# Altium PCB Carte_Mere - Copie.PcbDoc (part 1 of 4) (continued)
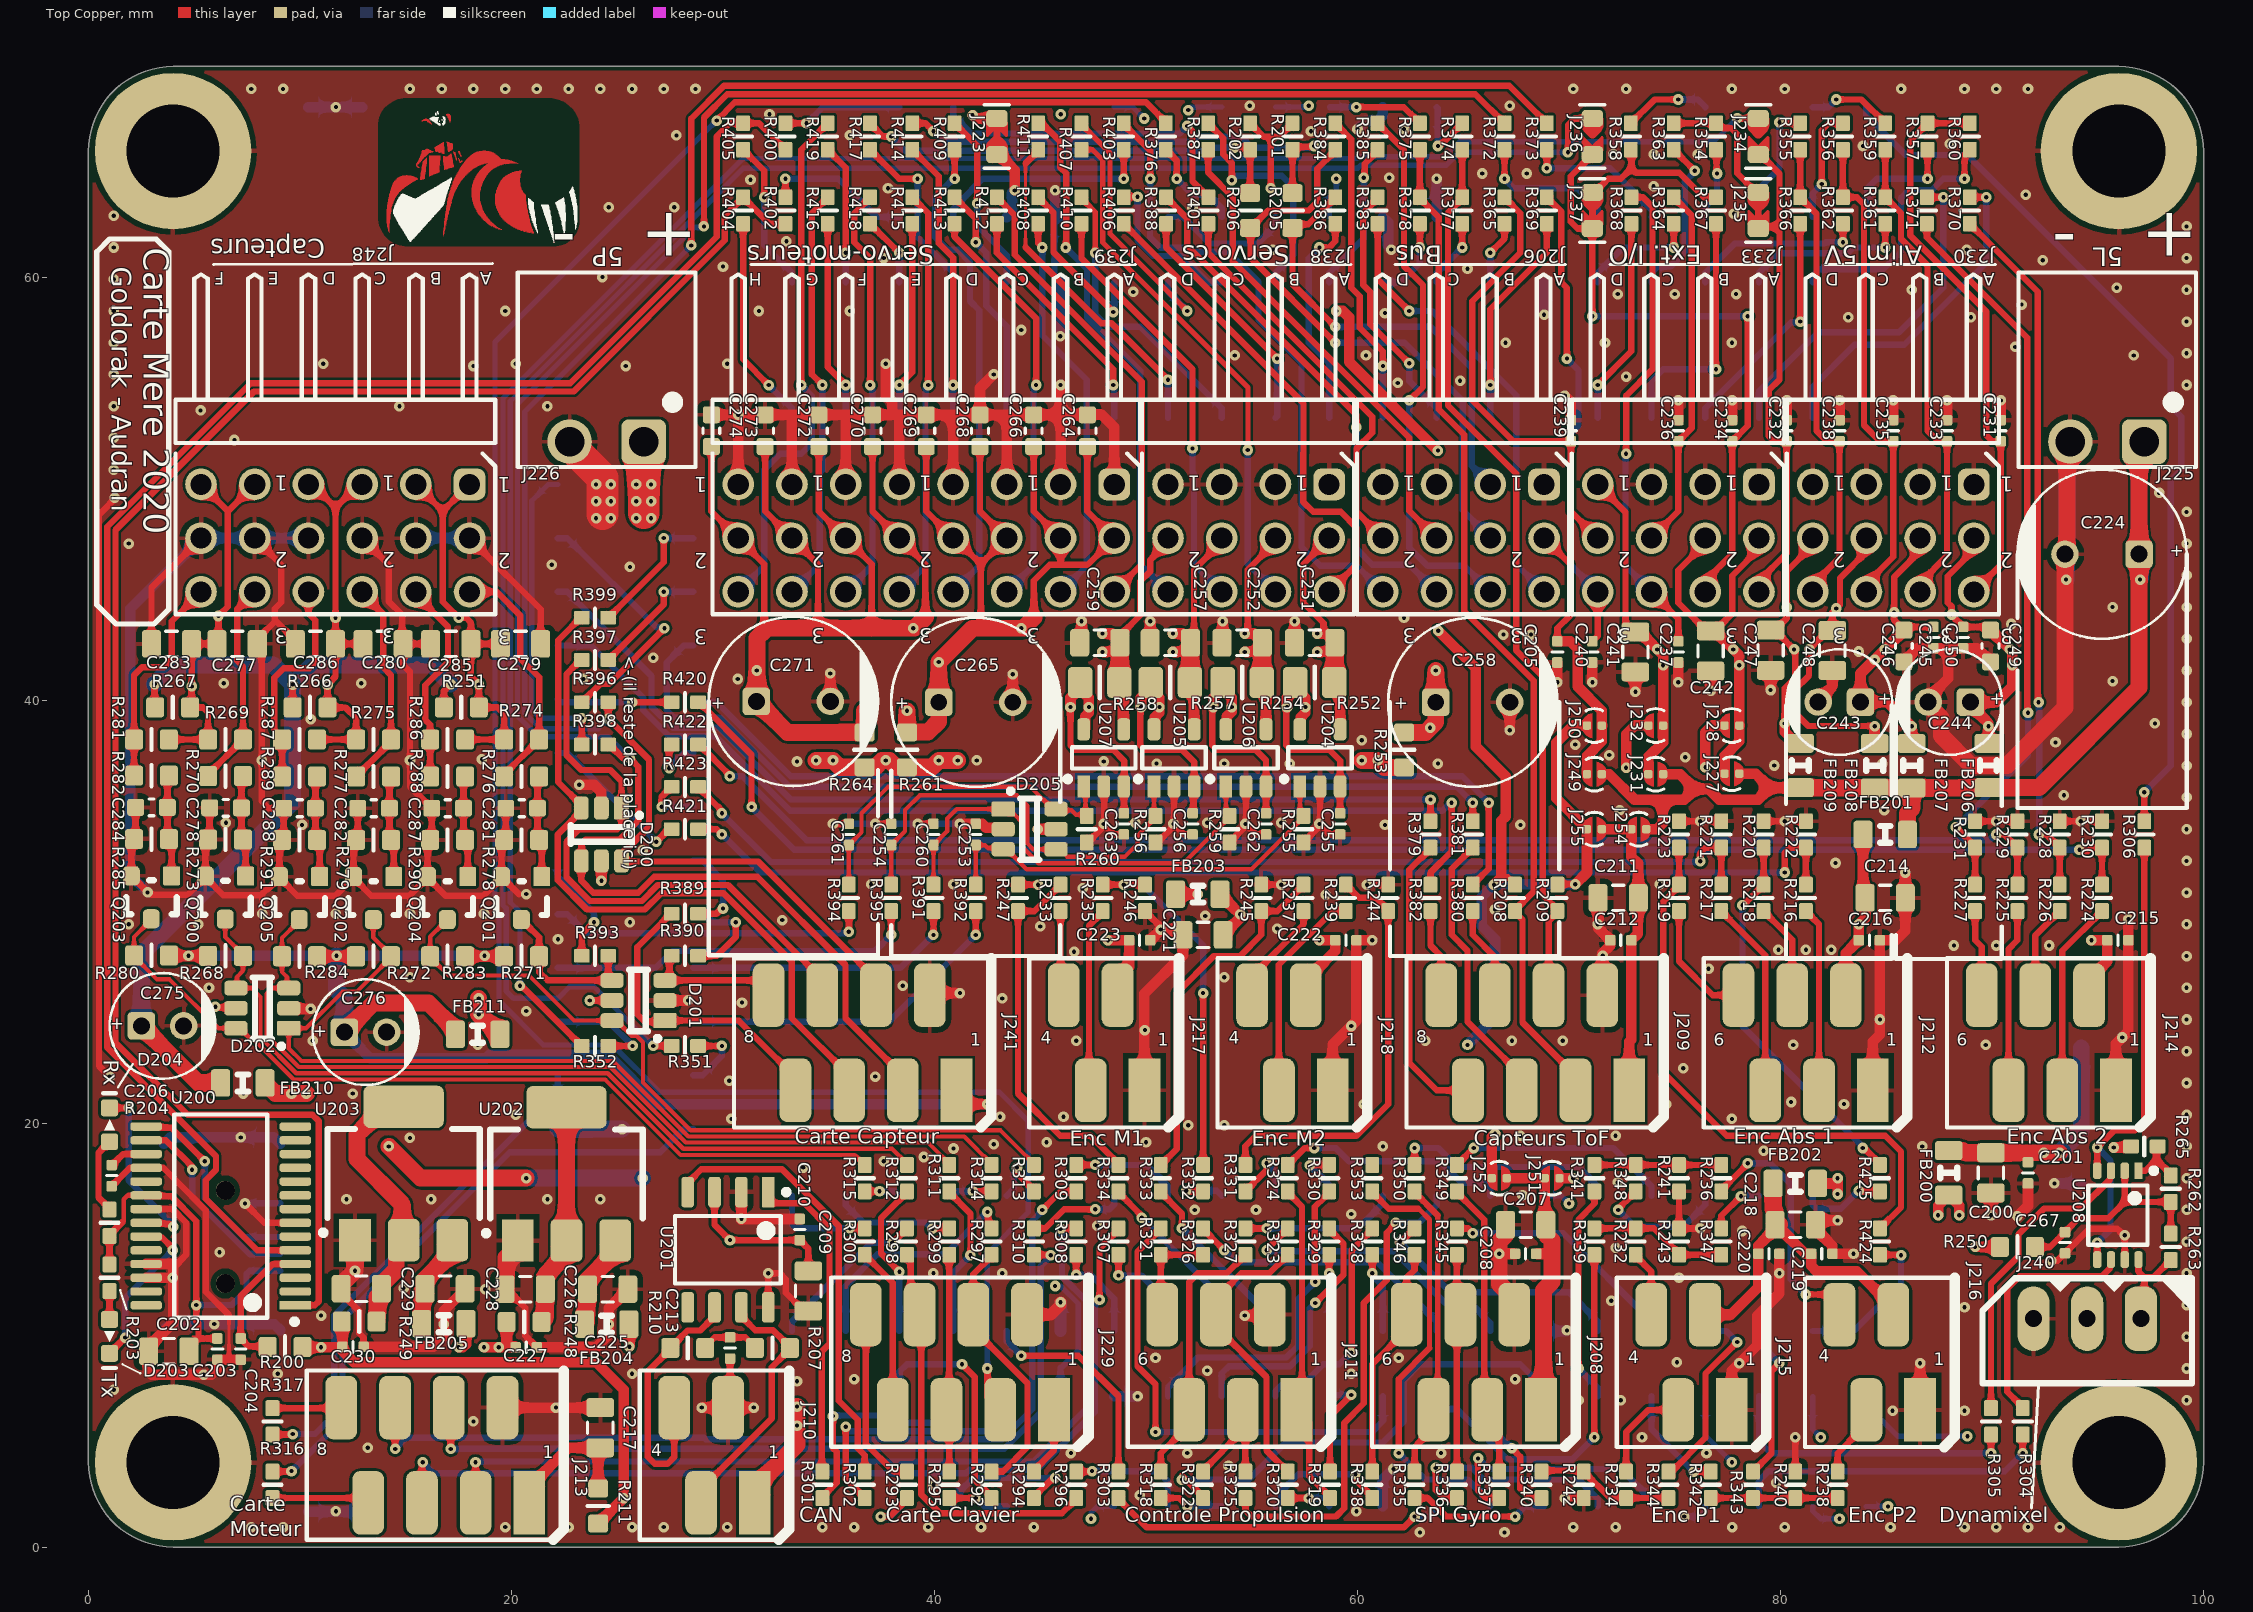
[diagram p0: Top Copper view]
## Components (designator, comment, footprint, x,y, rotation, side; value= is the part's Value field where it differs from the comment) (continued)
J207 "65100516121" 65100516121 5.195,14.659 r90 bottom locked value=5
J208 "690367280676" 690367280676 65.5,8.74 r0 top locked value=6
J209 "690367280876" 690367280876 68.4,23.84 r0 top locked value=8
J210 "690367280476" 690367280476 29.6,4.34 r0 top locked value=4
J211 "690367280676" 690367280676 53.945,8.74 r0 top locked value=6
J212 "690367280676" 690367280676 81.184,23.84 r0 top locked value=6
J213 "690367280876" 690367280876 16.4,4.34 r0 top locked value=8
J214 "690367280676" 690367280676 92.684,23.84 r0 top locked value=6
J215 "690367280476" 690367280476 75.795,8.73 r0 top locked value=4
J216 "690367280476" 690367280476 84.695,8.73 r0 top locked value=4
J217 "690367280476" 690367280476 48.019,23.84 r0 top locked value=4
J218 "690367280476" 690367280476 56.919,23.84 r0 top locked value=4
J219 "61000421821" 61000421821 11.67,65.48 r180 bottom locked value=4
J220 "61000421821" 61000421821 11.67,4.52 r180 bottom locked value=4
J221 "61004021821" 61004021821 62.47,65.48 r0 bottom locked value=40
J222 "61004021821" 61004021821 62.47,4.52 r0 bottom locked value=40
J223 "close" CAVALIER_0603_C 42.95,66.69 r270 top net-tie
J225 "691322110002" 691322110002 95.45,55.66 r180 top locked value=2
J226 "691322110002" 691322110002 24.5,55.66 r180 top locked value=2
J227 "open" CAVALIER#1 77.702,36.564 r270 top
J228 "open" CAVALIER#1 77.702,38.84 r270 top
J229 "690367280876" 690367280876 41.2,8.74 r0 top locked value=8
J230 "TSW-104-08-F-T-RA" TSW-104-08-F-T-RA 85.33,47.7 r180 top locked
J231 "open" CAVALIER#1 74.1,36.54 r270 top
J232 "open" CAVALIER#1 74.1,38.84 r270 top
J233 "TSW-104-08-F-T-RA" TSW-104-08-F-T-RA 75.17,47.7 r180 top locked
J234 "open" CAVALIER_0603_O 78.95,66.69 r90 top net-tie
J235 "close" CAVALIER_0603_C 78.95,63.19 r90 top net-tie
J236 "open" CAVALIER_0603_O 71.106,66.69 r90 top net-tie
J237 "close" CAVALIER_0603_C 71.106,63.19 r90 top net-tie
J238 "TSW-104-08-F-T-RA" TSW-104-08-F-T-RA 54.85,47.7 r180 top locked
J239 "TSW-104-08-F-T-RA" TSW-108-08-F-T-RA 39.61,47.7 r180 top locked
J240 "22-03-5035" 20-03-5035 94.5,10.16 r0 top locked
J241 "690367280876" 690367280876 36.6,23.84 r0 top locked value=8
J248 "TSW-106-08-F-T-RA" TSW-106-08-F-T-RA 11.67,47.7 r180 top locked
J249 "open" CAVALIER#2 71.2,36.54 r90 top
J250 "open" CAVALIER#2 71.2,38.84 r90 top
J251 "open" CAVALIER#2 69.2,17.44 r90 top
J252 "open" CAVALIER#2 66.7,17.44 r90 top
J254 "open" CAVALIER#2 73.3,33.94 r90 top
J255 "open" CAVALIER#2 71.2,33.94 r90 top
Q200 "2N7002" SOT-23 6.48,30.7 r180 top
Q201 "2N7002" SOT-23 20.48,30.68 r180 top
Q202 "2N7002" SOT-23 13.48,30.68 r180 top
Q203 "2N7002" SOT-23 2.98,30.72 r180 top
Q204 "2N7002" SOT-23 16.98,30.68 r180 top
Q205 "2N7002" SOT-23 9.98,30.68 r180 top
R200 "RC0603FR-070RL" RESC1608X06N 9.295,9.461 r180 top value=0
R201 "RC0402FR-074K7L" RESC1005X04N 56.925,66.69 r90 top value=4.7k
R202 "RC0402FR-074K7L" RESC1005X04N 54.925,66.69 r90 top value=4.7k
R203 "RC0402FR-071KL" RESC1005X04N 0.995,12.73 r270 top value=1k
R204 "RC0402FR-071KL" RESC1005X04N 0.995,15.33 r90 top value=1k
R205 "RC0603FR-070RL" RESC1608X06N 56.925,63.19 r270 top value=0
R206 "RC0603FR-070RL" RESC1608X06N 54.925,63.19 r270 top value=0
R207 "RC0603FR-0768RL" RESC1608X06N 32.335,9.41 r0 top value=68
R208 "RC0402FR-074K7L" RESC1005X04N 67.45,30.69 r90 top value=4.7k
R209 "RC0402FR-074K7L" RESC1005X04N 69.45,30.69 r90 top value=4.7k
R210 "RC0603FR-0768RL" RESC1608X06N 28.335,9.41 r0 top value=68
R211 "RC0603FR-070RL" RESC1608X06N 24.1,1.94 r90 top value=0
R216 "RC0402FR-074K7L" RESC1005X04N 81.2,30.69 r90 top value=4.7k
R217 "RC0402FR-074K7L" RESC1005X04N 77.2,30.69 r90 top value=4.7k
R218 "RC0402FR-074K7L" RESC1005X04N 79.2,30.69 r90 top value=4.7k
R219 "RC0402FR-074K7L" RESC1005X04N 75.2,30.69 r90 top value=4.7k
R220 "RC0402FR-0710KL" RESC1005X04N 79.2,33.69 r270 top value=10k
R221 "RC0402FR-0710KL" RESC1005X04N 77.2,33.69 r270 top value=10k
R222 "RC0402FR-0710KL" RESC1005X04N 81.2,33.69 r270 top value=10k
R223 "RC0402FR-0710KL" RESC1005X04N 75.2,33.69 r270 top value=10k
R224 "RC0402FR-074K7L" RESC1005X04N 95.2,30.69 r90 top value=4.7k
R225 "RC0402FR-074K7L" RESC1005X04N 91.2,30.69 r90 top value=4.7k
R226 "RC0402FR-074K7L" RESC1005X04N 93.2,30.69 r90 top value=4.7k
R227 "RC0402FR-074K7L" RESC1005X04N 89.2,30.69 r90 top value=4.7k
R228 "RC0402FR-0710KL" RESC1005X04N 93.2,33.69 r270 top value=10k
R229 "RC0402FR-0710KL" RESC1005X04N 91.2,33.69 r270 top value=10k
R230 "RC0402FR-0710KL" RESC1005X04N 95.2,33.69 r270 top value=10k
R231 "RC0402FR-0710KL" RESC1005X04N 89.2,33.69 r270 top value=10k
R232 "RC0402FR-074K7L" RESC1005X04N 73.15,14.44 r90 top value=4.7k
R233 "RC0402FR-074K7L" RESC1005X04N 45.96,30.69 r90 top value=4.7k
R234 "RC0402FR-074K7L" RESC1005X04N 72.7,2.94 r270 top value=4.7k
R235 "RC0402FR-074K7L" RESC1005X04N 47.95,30.69 r90 top value=4.7k
R236 "RC0402FR-074K7L" RESC1005X04N 77.2,17.44 r90 top value=4.7k
R237 "RC0402FR-074K7L" RESC1005X04N 57.45,30.69 r90 top value=4.7k
R238 "RC0402FR-074K7L" RESC1005X04N 82.7,2.94 r270 top value=4.7k
R239 "RC0402FR-074K7L" RESC1005X04N 59.45,30.69 r90 top value=4.7k
R240 "RC0402FR-0710KL" RESC1005X04N 80.7,2.94 r270 top value=10k
R241 "RC0402FR-0710KL" RESC1005X04N 75.2,17.44 r90 top value=10k
R242 "RC0402FR-0710KL" RESC1005X04N 70.7,2.94 r90 top value=10k
R243 "RC0402FR-0710KL" RESC1005X04N 75.2,14.44 r270 top value=10k
R244 "RC0402FR-0710KL" RESC1005X04N 61.45,30.69 r270 top value=10k
R245 "RC0402FR-0710KL" RESC1005X04N 55.45,30.69 r270 top value=10k
R246 "RC0402FR-0710KL" RESC1005X04N 49.95,30.69 r90 top value=10k
R247 "RC0402FR-0710KL" RESC1005X04N 43.95,30.69 r270 top value=10k
R248 "RC0603FR-070RL" RESC1608X06N 20.6,10.64 r180 top value=0
R249 "RC0603FR-070RL" RESC1608X06N 12.8,10.661 r180 top value=0
R250 "RC0603FR-070RL" RESC1608X06N 91.2,14.19 r0 top value=0
R251 "RC0603FR-070RL" RESC1608X06N 17.63,39.7 r0 top value=0
R252 "CRF0805-FZ-R010ELF" RESC2012X06N 57.977,40.876 r0 top value=0.01
R253 "RC0603FR-070RL" RESC1608X06N 62.2,37.69 r90 top value=0
R254 "CRF0805-FZ-R010ELF" RESC2012X06N 54.548,40.876 r0 top value=0.01
R255 "RC0402FR-07100KL" RESC1005X04N 57.45,33.94 r270 top value=100k
R256 "RC0402FR-07100KL" RESC1005X04N 50.45,33.94 r270 top value=100k
R257 "CRF0805-FZ-R010ELF" RESC2012X06N 51.15,40.876 r0 top value=0.01
R258 "CRF0805-FZ-R010ELF" RESC2012X06N 47.817,40.876 r0 top value=0.01
R259 "RC0402FR-07100KL" RESC1005X04N 53.95,33.94 r270 top value=100k
R260 "RC0402FR-07100KL" RESC1005X04N 47.2,33.94 r270 top value=100k
R261 "RC0603FR-070RL" RESC1608X06N 38.7,37.69 r90 top value=0
R262 "RC0402FR-0710KL" RESC1005X04N 98.45,16.94 r270 top value=10k
R263 "RC0402FR-0710KL" RESC1005X04N 98.45,14.19 r90 top value=10k
R264 "RC0603FR-070RL" RESC1608X06N 36.7,37.69 r90 top value=0
R265 "RC0402FR-0710KL" RESC1005X04N 97.2,18.94 r0 top value=10k
R266 "RC0603FR-070RL" RESC1608X06N 10.48,39.7 r0 top value=0
R267 "RC0603FR-070RL" RESC1608X06N 3.98,39.7 r0 top value=0
R268 "RC0603FR-0710KL" RESC1608X06N 6.48,27.95 r180 top value=10k
R269 "RC0603FR-0710KL" RESC1608X06N 6.48,38.18 r180 top value=10k
R270 "RC0603FR-0710KL" RESC1608X06N 6.48,36.45 r0 top value=10k
R271 "RC0603FR-0710KL" RESC1608X06N 20.48,27.93 r180 top value=10k
R272 "RC0603FR-0710KL" RESC1608X06N 13.48,27.93 r180 top value=10k
R273 "RC0603FR-0710KL" RESC1608X06N 6.48,33.45 r0 top value=10k
R274 "RC0603FR-0710KL" RESC1608X06N 20.48,38.18 r180 top value=10k
R275 "RC0603FR-0710KL" RESC1608X06N 13.48,38.18 r180 top value=10k
R276 "RC0603FR-0710KL" RESC1608X06N 20.48,36.43 r0 top value=10k
R277 "RC0603FR-0710KL" RESC1608X06N 13.48,36.43 r0 top value=10k
R278 "RC0603FR-0710KL" RESC1608X06N 20.48,33.43 r0 top value=10k
R279 "RC0603FR-0710KL" RESC1608X06N 13.48,33.43 r0 top value=10k
R280 "RC0603FR-0710KL" RESC1608X06N 2.98,27.97 r0 top value=10k
R281 "RC0603FR-0710KL" RESC1608X06N 2.98,38.18 r0 top value=10k
R282 "RC0603FR-0710KL" RESC1608X06N 2.98,36.47 r0 top value=10k
R283 "RC0603FR-0710KL" RESC1608X06N 16.98,27.93 r0 top value=10k
R284 "RC0603FR-0710KL" RESC1608X06N 9.98,27.93 r0 top value=10k
R285 "RC0603FR-0710KL" RESC1608X06N 2.98,33.47 r0 top value=10k
R286 "RC0603FR-0710KL" RESC1608X06N 16.98,38.18 r0 top value=10k
R287 "RC0603FR-0710KL" RESC1608X06N 9.98,38.18 r0 top value=10k
R288 "RC0603FR-0710KL" RESC1608X06N 16.98,36.43 r0 top value=10k
R289 "RC0603FR-0710KL" RESC1608X06N 9.98,36.43 r0 top value=10k
R290 "RC0603FR-0710KL" RESC1608X06N 16.98,33.43 r0 top value=10k
R291 "RC0603FR-0710KL" RESC1608X06N 9.98,33.43 r0 top value=10k
R292 "RC0402FR-0722RL" RESC1005X04N 42.7,2.94 r270 top value=22
R293 "RC0402FR-0722RL" RESC1005X04N 38.7,2.94 r90 top value=22
R294 "RC0402FR-0722RL" RESC1005X04N 44.7,2.94 r90 top value=22
R295 "RC0402FR-0722RL" RESC1005X04N 40.7,2.94 r90 top value=22
R296 "RC0402FR-0722RL" RESC1005X04N 46.7,2.94 r270 top value=22
R297 "RC0402FR-0722RL" RESC1005X04N 42.7,14.44 r90 top value=22
R298 "RC0402FR-0722RL" RESC1005X04N 38.7,14.44 r90 top value=22
R299 "RC0402FR-0722RL" RESC1005X04N 40.7,14.44 r270 top value=22
R300 "RC0402FR-0722RL" RESC1005X04N 36.7,14.44 r270 top value=22
R301 "RC0402FR-0722RL" RESC1005X04N 34.7,2.94 r270 top value=22
R302 "RC0402FR-0722RL" RESC1005X04N 36.7,2.94 r270 top value=22
R303 "RC0402FR-0722RL" RESC1005X04N 48.7,2.94 r90 top value=22
R304 "RC0402FR-0722RL" RESC1005X04N 91.45,5.94 r90 top value=22
R305 "RC0402FR-0722RL" RESC1005X04N 89.95,5.94 r270 top value=22
R306 "RC0402FR-0722RL" RESC1005X04N 97.2,33.69 r90 top value=22
R307 "RC0402FR-0722RL" RESC1005X04N 48.7,14.44 r270 top value=22
R308 "RC0402FR-0722RL" RESC1005X04N 46.7,14.44 r270 top value=22
R309 "RC0402FR-0722RL" RESC1005X04N 46.7,17.44 r270 top value=22
R310 "RC0402FR-0722RL" RESC1005X04N 44.7,14.44 r270 top value=22
R311 "RC0402FR-0722RL" RESC1005X04N 40.7,17.44 r270 top value=22
R312 "RC0402FR-0722RL" RESC1005X04N 38.7,17.44 r270 top value=22
R313 "RC0402FR-0722RL" RESC1005X04N 44.7,17.44 r90 top value=22
R314 "RC0402FR-0722RL" RESC1005X04N 42.7,17.44 r90 top value=22
R315 "RC0402FR-0722RL" RESC1005X04N 36.7,17.44 r90 top value=22
R316 "RC0402FR-0722RL" RESC1005X04N 8.7,2.94 r90 top value=22
R317 "RC0402FR-0722RL" RESC1005X04N 8.7,5.94 r90 top value=22
R318 "RC0402FR-0722RL" RESC1005X04N 50.7,2.94 r90 top value=22
R319 "RC0402FR-0722RL" RESC1005X04N 58.7,2.94 r90 top value=22
R320 "RC0402FR-0722RL" RESC1005X04N 56.7,2.94 r90 top value=22
R321 "RC0402FR-0722RL" RESC1005X04N 50.7,14.44 r90 top value=22
R322 "RC0402FR-0722RL" RESC1005X04N 52.7,2.94 r270 top value=22
R323 "RC0402FR-0722RL" RESC1005X04N 56.7,14.44 r90 top value=22
R324 "RC0402FR-0722RL" RESC1005X04N 56.7,17.44 r270 top value=22
R325 "RC0402FR-0722RL" RESC1005X04N 54.7,2.94 r90 top value=22
R326 "RC0402FR-0722RL" RESC1005X04N 52.7,14.44 r90 top value=22
R327 "RC0402FR-0722RL" RESC1005X04N 54.7,14.44 r270 top value=22
R328 "RC0402FR-0722RL" RESC1005X04N 60.7,14.44 r270 top value=22
R329 "RC0402FR-0722RL" RESC1005X04N 58.66,14.44 r270 top value=22
R330 "RC0402FR-0722RL" RESC1005X04N 58.66,17.44 r270 top value=22
R331 "RC0402FR-0722RL" RESC1005X04N 54.7,17.44 r90 top value=22
R332 "RC0402FR-0722RL" RESC1005X04N 52.7,17.44 r90 top value=22
R333 "RC0402FR-0722RL" RESC1005X04N 50.7,17.44 r270 top value=22
R334 "RC0402FR-0722RL" RESC1005X04N 48.7,17.44 r270 top value=22
R335 "RC0402FR-0722RL" RESC1005X04N 62.7,2.94 r90 top value=22
R336 "RC0402FR-0722RL" RESC1005X04N 64.7,2.94 r90 top value=22
R337 "RC0402FR-0722RL" RESC1005X04N 66.7,2.94 r90 top value=22
R338 "RC0402FR-0722RL" RESC1005X04N 60.7,2.94 r90 top value=22
R339 "RC0402FR-0722RL" RESC1005X04N 71.2,14.44 r270 top value=22
R340 "RC0402FR-0722RL" RESC1005X04N 68.7,2.94 r270 top value=22
R341 "RC0402FR-0722RL" RESC1005X04N 71.2,17.44 r270 top value=22
R342 "RC0402FR-0722RL" RESC1005X04N 76.7,2.94 r90 top value=22
R343 "RC0402FR-0722RL" RESC1005X04N 78.7,2.94 r90 top value=22
R344 "RC0402FR-0722RL" RESC1005X04N 74.7,2.94 r90 top value=22
R345 "RC0402FR-0722RL" RESC1005X04N 64.7,14.44 r90 top value=22
R346 "RC0402FR-0722RL" RESC1005X04N 62.7,14.44 r90 top value=22
R347 "RC0402FR-0722RL" RESC1005X04N 77.2,14.44 r270 top value=22
R348 "RC0402FR-0722RL" RESC1005X04N 73.15,17.44 r90 top value=22
R349 "RC0402FR-0722RL" RESC1005X04N 64.7,17.44 r270 top value=22
R350 "RC0402FR-0722RL" RESC1005X04N 62.7,17.44 r270 top value=22
R351 "RC0402FR-0722RL" RESC1005X04N 28.2,23.69 r0 top value=22
R352 "RC0402FR-0722RL" RESC1005X04N 23.95,23.69 r180 top value=22
R353 "RC0402FR-0722RL" RESC1005X04N 60.7,17.44 r90 top value=22
R354 "RC0402FR-0722RL" RESC1005X04N 76.95,66.69 r90 top value=22
R355 "RC0402FR-0722RL" RESC1005X04N 80.93,66.69 r270 top value=22
R356 "RC0402FR-0722RL" RESC1005X04N 82.95,66.69 r270 top value=22
R357 "RC0402FR-0722RL" RESC1005X04N 86.95,66.69 r90 top value=22
R358 "RC0402FR-0722RL" RESC1005X04N 72.921,66.69 r90 top value=22
R359 "RC0402FR-0722RL" RESC1005X04N 84.95,66.69 r90 top value=22
R360 "RC0402FR-0722RL" RESC1005X04N 88.95,66.69 r90 top value=22
R361 "RC0402FR-0722RL" RESC1005X04N 84.95,63.19 r90 top value=22
R362 "RC0402FR-0722RL" RESC1005X04N 82.95,63.19 r90 top value=22
R363 "RC0402FR-0722RL" RESC1005X04N 74.95,66.69 r90 top value=22
R364 "RC0402FR-0722RL" RESC1005X04N 74.95,63.19 r90 top value=22
R365 "RC0402FR-0722RL" RESC1005X04N 66.95,63.19 r90 top value=22
R366 "RC0402FR-0722RL" RESC1005X04N 80.93,63.19 r270 top value=22
R367 "RC0402FR-0722RL" RESC1005X04N 76.95,63.19 r270 top value=22
R368 "RC0402FR-0722RL" RESC1005X04N 72.95,63.19 r270 top value=22
R369 "RC0402FR-0722RL" RESC1005X04N 68.95,63.19 r270 top value=22
R370 "RC0402FR-0722RL" RESC1005X04N 88.95,63.19 r90 top value=22
R371 "RC0402FR-0722RL" RESC1005X04N 86.92,63.19 r90 top value=22
R372 "RC0402FR-0722RL" RESC1005X04N 66.95,66.69 r90 top value=22
R373 "RC0402FR-0722RL" RESC1005X04N 68.95,66.69 r90 top value=22
R374 "RC0402FR-0722RL" RESC1005X04N 64.95,66.69 r90 top value=22
R375 "RC0402FR-0722RL" RESC1005X04N 62.95,66.69 r90 top value=22
R376 "RC0402FR-0722RL" RESC1005X04N 50.938,66.69 r90 top value=22
R377 "RC0402FR-0722RL" RESC1005X04N 64.95,63.19 r90 top value=22
R378 "RC0402FR-0722RL" RESC1005X04N 62.95,63.19 r90 top value=22
R379 "RC0402FR-0722RL" RESC1005X04N 63.45,33.69 r270 top value=22
R380 "RC0402FR-0722RL" RESC1005X04N 65.45,30.69 r90 top value=22
R381 "RC0402FR-0722RL" RESC1005X04N 65.45,33.69 r90 top value=22
R382 "RC0402FR-0722RL" RESC1005X04N 63.45,30.69 r90 top value=22
R383 "RC0402FR-0722RL" RESC1005X04N 60.95,63.19 r90 top value=22
R384 "RC0402FR-0722RL" RESC1005X04N 58.95,66.69 r90 top value=22
R385 "RC0402FR-0722RL" RESC1005X04N 60.95,66.69 r90 top value=22
R386 "RC0402FR-0722RL" RESC1005X04N 58.95,63.19 r90 top value=22
R387 "RC0402FR-0722RL" RESC1005X04N 52.938,66.69 r270 top value=22
R388 "RC0402FR-0722RL" RESC1005X04N 50.95,63.19 r270 top value=22
R389 "RC0402FR-0722RL" RESC1005X04N 28.2,29.94 r0 top value=22
R390 "RC0402FR-0722RL" RESC1005X04N 28.2,27.95 r0 top value=22
R391 "RC0402FR-0722RL" RESC1005X04N 39.95,30.69 r270 top value=22
R392 "RC0402FR-0722RL" RESC1005X04N 41.95,30.69 r270 top value=22
R393 "RC0402FR-0722RL" RESC1005X04N 23.95,27.95 r0 top value=22
R394 "RC0402FR-0722RL" RESC1005X04N 35.95,30.69 r90 top value=22
R395 "RC0402FR-0722RL" RESC1005X04N 37.95,30.69 r90 top value=22
R396 "RC0402FR-0722RL" RESC1005X04N 23.95,39.94 r180 top value=22
R397 "RC0402FR-0722RL" RESC1005X04N 23.95,41.94 r0 top value=22
R398 "RC0402FR-0722RL" RESC1005X04N 23.95,37.94 r0 top value=22
R399 "RC0402FR-0722RL" RESC1005X04N 23.95,43.94 r180 top value=22
R400 "RC0402FR-0722RL" RESC1005X04N 32.95,66.69 r90 top value=22
R401 "RC0402FR-0722RL" RESC1005X04N 52.95,63.19 r90 top value=22
R402 "RC0402FR-0722RL" RESC1005X04N 32.95,63.19 r270 top value=22
R403 "RC0402FR-0722RL" RESC1005X04N 48.95,66.69 r90 top value=22
R404 "RC0402FR-0722RL" RESC1005X04N 30.95,63.19 r270 top value=22
R405 "RC0402FR-0722RL" RESC1005X04N 30.95,66.69 r90 top value=22
R406 "RC0402FR-0722RL" RESC1005X04N 48.95,63.19 r270 top value=22
R407 "RC0402FR-0722RL" RESC1005X04N 46.95,66.69 r270 top value=22
R408 "RC0402FR-0722RL" RESC1005X04N 44.9,63.19 r270 top value=22
R409 "RC0402FR-0722RL" RESC1005X04N 40.95,66.69 r270 top value=22
R410 "RC0402FR-0722RL" RESC1005X04N 46.95,63.19 r90 top value=22
R411 "RC0402FR-0722RL" RESC1005X04N 44.9,66.69 r270 top value=22
R412 "RC0402FR-0722RL" RESC1005X04N 42.95,63.19 r270 top value=22
R413 "RC0402FR-0722RL" RESC1005X04N 40.95,63.19 r90 top value=22
R414 "RC0402FR-0722RL" RESC1005X04N 38.95,66.69 r270 top value=22
R415 "RC0402FR-0722RL" RESC1005X04N 38.95,63.19 r270 top value=22
R416 "RC0402FR-0722RL" RESC1005X04N 34.95,63.19 r270 top value=22
R417 "RC0402FR-0722RL" RESC1005X04N 36.95,66.69 r90 top value=22
R418 "RC0402FR-0722RL" RESC1005X04N 36.95,63.19 r90 top value=22
R419 "RC0402FR-0722RL" RESC1005X04N 34.95,66.69 r90 top value=22
R420 "RC0402FR-0722RL" RESC1005X04N 28.2,39.94 r0 top value=22
R421 "RC0402FR-0722RL" RESC1005X04N 28.2,33.94 r0 top value=22
R422 "RC0402FR-0722RL" RESC1005X04N 28.2,37.94 r180 top value=22
R423 "RC0402FR-0722RL" RESC1005X04N 28.2,35.94 r180 top value=22
R424 "RC0402FR-0722RL" RESC1005X04N 84.7,14.44 r270 top value=22
R425 "RC0402FR-0722RL" RESC1005X04N 84.7,17.44 r90 top value=22
U200 "FT232RL" SSOP28 6.255,15.655 r180 top
U201 "MCP2551-I/SN" SOIC127P600X175-8N 30.235,14.055 r270 top
U202 "ZLDO1117G33TA" SOT223 22.6,17.64 r90 top locked value=3.3V
U203 "ZLDO1117G33TA" SOT223 14.9,17.66 r90 top locked value=3.3V
U204 "INA139NA" SOT23_95P280X145-5N 58.226,37.31 r90 top
U205 "INA139NA" SOT23_95P280X145-5N 51.326,37.31 r90 top
U206 "INA139NA" SOT23_95P280X145-5N 54.726,37.31 r90 top
U207 "INA139NA" SOT23_95P280X145-5N 48,37.31 r90 top
U208 "MAX485CUA+" MSOP-8 95.95,15.69 r270 top

## Footprints (in the part's own frame and the unit in brackets; to place one, negate y for a bottom-side part, rotate by r counter-clockwise, add the part's x,y. Pads: shape width x height; smd on the part's side, far side on the other; paste and mask are expansions set on the pad)
20-03-5035 [mil]
  rrect70% 60x120 hole 31.5: 1(100,25)
  oval 60x120 hole 31.5: 2(0,25) 3(-100,25)
  silkscreen extent -195,-95 195,100, body extent -195,-96 194,97, height 234
9774100960 [mm] "SMT Steel Spacer Internal hole diameter 3.3mm non stop, height 10mm"
  round 7.4 hole 4.4: 1(0,0)
  body extent -3,-3 3,3, height 10
61000421821 [mm] "Socket Header, Pitch 2.54 mm, SMT, Vertical, dual row, 4p"
  rect 1x1.8 smd: 1(1.27,-2.6)
  rrect30% 1x1.8 smd: 2(1.27,2.6) 3(-1.27,-2.6) 4(-1.27,2.6)
  silkscreen extent -2.87,-2.62 2.87,2.62, body extent -2.54,-3.35 2.54,3.35, height 8.5
61004021821 [mm] "Socket Header, Pitch 2.54 mm, SMT, Vertical, dual row, 40p"
  rect 1x1.8 smd: 1(-24.13,2.6)
  rrect30% 1x1.8 smd: 2(-24.13,-2.6) 3(-21.59,2.6) 4(-21.59,-2.6) 5(-19.05,2.6) 6(-19.05,-2.6) 7(-16.51,2.6) 8(-16.51,-2.6) 9(-13.97,2.6) 10(-13.97,-2.6) 11(-11.43,2.6) 12(-11.43,-2.6) 13(-8.89,2.6) 14(-8.89,-2.6) 15(-6.35,2.6) 16(-6.35,-2.6) 17(-3.81,2.6) 18(-3.81,-2.6) 19(-1.27,2.6) 20(-1.27,-2.6) 21(1.27,2.6) 22(1.27,-2.6) 23(3.81,2.6) 24(3.81,-2.6) 25(6.35,2.6) 26(6.35,-2.6) 27(8.89,2.6) 28(8.89,-2.6) 29(11.43,2.6) 30(11.43,-2.6) 31(13.97,2.6) 32(13.97,-2.6) 33(16.51,2.6) 34(16.51,-2.6) 35(19.05,2.6) 36(19.05,-2.6) 37(21.59,2.6) 38(21.59,-2.6) 39(24.13,2.6) 40(24.13,-2.6)
  silkscreen extent -25.73,-2.62 25.73,2.62, body extent -25.4,-3.35 25.4,3.35, height 7.5
65100516121 [mm] "Mini USB 2.0 Type B SMT Horizontal 5 Contacts"
  rrect30% 0.5x2.5 smd: 1(-1.6,3.875)
  rrect70% 0.5x2.5 smd: 2(-0.8,3.875) 3(0,3.875) 4(0.8,3.875) 5(1.6,3.875)
  round 0.9 hole 0.9 unplated: MH1(-2.2,1.275) MH2(2.2,1.275)
  rrect50% 2x2.5 smd: S1(-4.4,3.875) S2(4.4,3.875) S3(4.4,-1.625) S4(-4.4,-1.625)
  silkscreen extent -3.85,-4.62 3.85,4.62, body extent -4.8,-4.62 4.8,4.63, height 3.92
610004243021_NO-HOLE [mm] "Socket Header, Pitch 2.54 mm, SMT, Vertical, dual row, 4p"
  rect 0.9x1.8 smd: 1(-1.27,-3.2)
  rrect30% 0.9x1.8 smd: 2(-1.27,3.2) 3(1.27,-3.2) 4(1.27,3.2)
  silkscreen extent -2.69,-2.57 2.69,2.58, body extent -2.54,-3.6 2.54,3.6, height 3.7
610020243021_NO-HOLE [mm] "Socket Header, Pitch 2.54 mm, SMT, Vertical, dual row, 20p"
  rect 0.9x1.8 smd: 1(-11.43,-3.2)
  rrect30% 0.9x1.8 smd: 2(-11.43,3.2) 3(-8.89,-3.2) 4(-8.89,3.2) 5(-6.35,-3.2) 6(-6.35,3.2) 7(-3.81,-3.2) 8(-3.81,3.2) 9(-1.27,-3.2) 10(-1.27,3.2) 11(1.27,-3.2) 12(1.27,3.2) 13(3.81,-3.2) 14(3.81,3.2) 15(6.35,-3.2) 16(6.35,3.2) 17(8.89,-3.2) 18(8.89,3.2) 19(11.43,-3.2) 20(11.43,3.2)
  silkscreen extent -12.85,-2.57 12.85,2.58, body extent -12.7,-3.6 12.7,3.6, height 3.7
610026243021_NO-HOLE [mm] "Socket Header, Pitch 2.54 mm, SMT, Vertical, dual row, 26p"
  rect 0.9x1.8 smd: 1(-15.24,-3.2)
  rrect30% 0.9x1.8 smd: 2(-15.24,3.2) 3(-12.7,-3.2) 4(-12.7,3.2) 5(-10.16,-3.2) 6(-10.16,3.2) 7(-7.62,-3.2) 8(-7.62,3.2) 9(-5.08,-3.2) 10(-5.08,3.2) 11(-2.54,-3.2) 12(-2.54,3.2) 13(0,-3.2) 14(0,3.2) 15(2.54,-3.2) 16(2.54,3.2) 17(5.08,-3.2) 18(5.08,3.2) 19(7.62,-3.2) 20(7.62,3.2) 21(10.16,-3.2) 22(10.16,3.2) 23(12.7,-3.2) 24(12.7,3.2) 25(15.24,-3.2) 26(15.24,3.2)
  silkscreen extent -16.66,-2.57 16.66,2.58, body extent -16.51,-3.6 16.51,3.6, height 3.7
690367280476 [mm] "4 pins, SMT, straight, without Latch"
  rect 1.5x3 smd: 1(1.905,-2.25)
  rrect50% 1.5x3 smd: 2(0.635,2.25) 3(-0.635,-2.25) 4(-1.905,2.25)
  silkscreen extent -3.54,-4 3.54,4, body extent -3.54,-5 3.54,3.5, height 5.7
690367280676 [mm] "6 pins, SMT, straight, without Latch"
  rect 1.5x3 smd: 1(3.175,-2.25)
  rrect50% 1.5x3 smd: 2(1.905,2.25) 3(0.635,-2.25) 4(-0.635,2.25) 5(-1.905,-2.25) 6(-3.175,2.25)
  silkscreen extent -4.81,-4 4.81,4, body extent -4.81,-5 4.81,3.5, height 5.75
690367280876 [mm] "8 pins, SMT, straight, without Latch"
  rect 1.5x3 smd: 1(4.445,-2.25)
  rrect50% 1.5x3 smd: 2(3.175,2.25) 3(1.905,-2.25) 4(0.635,2.25) 5(-0.635,-2.25) 6(-1.905,2.25) 7(-3.175,-2.25) 8(-4.445,2.25)
  silkscreen extent -6.08,-4 6.08,4, body extent -6.08,-5 6.08,3.5, height 5.75
691322110002 [mm] "Horizontal PCB Header, pitch 3.5mm, 02p"
  rrect30% 2.1x2.1 hole 1.4: 1(-1.75,3.4)
  round 2.1 hole 1.4: 2(1.75,3.4)
  silkscreen extent -4.2,-4.6 4.2,4.6, body extent -4.2,-4.6 4.2,4.6, height 7.3
CAVALIER#1 [mm] "Connection personnalisé pour bord de carte"
  rrect50% 0.4x0.4 smd mask+0.05: 1(0,-0.35) 2(0,0.35)
  Top Copper region: -0.591,-0.102 -0.482,-0.357 -0.27,-0.536 0,-0.6 0.27,-0.536 0.482,-0.357 0.591,-0.102 0.591,-0.102
  Top Copper region: -0.591,0.102 0.591,0.102 0.591,0.102 0.482,0.357 0.27,0.536 0,0.6 -0.27,0.536 -0.482,0.357 -0.591,0.102
  silkscreen extent -0.8,-0.39 0.8,0.39
CAVALIER#2 [mm] "Connection personnalisé pour bord de carte"
  rrect50% 0.4x0.4 smd: 1(0,-0.35) 2(0,0.35)
  Top Copper region: -0.591,0.102 0.591,0.102 0.591,0.102 0.482,0.357 0.27,0.536 0,0.6 -0.27,0.536 -0.482,0.357 -0.591,0.102
  Top Copper region: -0.591,-0.102 -0.482,-0.357 -0.27,-0.536 0,-0.6 0.27,-0.536 0.482,-0.357 0.591,-0.102 0.591,-0.102
  silkscreen extent -0.8,-0.39 0.8,0.39
CAVALIER_0603_C [mil] "Jumper ferme"
  rrect50% 32x40 smd: 1(33.75,0) 2(-33.75,0)
  Top Copper region: -26.25,0 -16.25,0 -0.15,-16.1 0.41,-17.01 0.49,-18.08 0.09,-19.06 -0.73,-19.75 -1.76,-20 -1.76,-20 -26.25,-20
  Top Copper region: -26.25,0 -16.25,0 -0.25,16 0.32,16.93 0.41,18.02 -0.01,19.03 -0.85,19.74 -1.91,20 -1.91,20 -26.25,20
  Top Copper region: 33.75,20 19.24,20 14.17,18.99 9.87,16.12 9.87,16.12 -6.25,0 9.94,-16.19 14.16,-19.01 19.14,-20 19.14,-20 33.75,-20
  Top Copper region: 3.94,5.91 -19.68,5.91 -19.68,-5.91 3.94,-5.91
  silkscreen extent -59,-24 59,24
CAVALIER_0603_O [mil] "Jumper ouvert"
  rrect50% 32x40 smd: 1(33.75,0) 2(-33.75,0)
  Top Copper region: 33.75,20 19.24,20 14.17,18.99 9.87,16.12 9.87,16.12 -1.91,4.34 -3.5,1.59 -3.5,-1.59 -1.91,-4.34 -1.91,-4.34 9.94,-16.19 14.16,-19.01 19.14,-20 19.14,-20 33.75,-20
  Top Copper region: -26.25,0 -16.25,0 -0.25,16 0.32,16.93 0.41,18.02 -0.01,19.03 -0.85,19.74 -1.91,20 -1.91,20 -26.25,20
  Top Copper region: -26.25,0 -16.25,0 -0.15,-16.1 0.41,-17.01 0.49,-18.08 0.09,-19.06 -0.73,-19.75 -1.76,-20 -1.76,-20 -26.25,-20
  silkscreen extent -59,-24 59,24
MSOP-8 [mm]
  rrect15% 0.8x0.4 smd: 1(-2.1,0.975)
  rrect70% 0.8x0.4 smd: 2(-2.1,0.325) 3(-2.1,-0.325) 4(-2.1,-0.975) 5(2.1,-0.975) 6(2.1,-0.325) 7(2.1,0.325) 8(2.1,0.975)
  silkscreen extent -2.23,-1.4 1.4,1.83, body extent -2.46,-1.5 2.46,1.5, height 1.08
RESC1005X04N [mm] "Chip Resistor, 2-Leads, Body 1,1x0,5mm, IPC Medium Density"
  rrect20% 0.75x0.65 smd: 1(-0.625,0) 2(0.625,0)
  silkscreen extent 0,-0.43 0,0.43, body extent -0.5,-0.25 0.5,0.25, height 0.35
RESC1608X06N [mm] "Chip Resistor, 2-Leads, Body 1,6x0,8mm, IPC Medium Density"
  rrect30% 0.85x0.95 smd: 1(-0.825,0) 2(0.825,0)
  silkscreen extent 0,-0.5 0,0.5, body extent -0.78,-0.43 0.78,0.43, height 0.45
RESC2012X06N [mm] "Chip Resistor, 2-Leads, Body 2,0x1,3mm, IPC Medium Density"
  rrect30% 1.15x1.45 smd: 1(-0.925,0) 2(0.925,0)
  silkscreen extent 0,-0.75 0,0.75, body extent -1,-0.62 1,0.62, height 0.45
SMCW_0603 [mm] "Chip LED, 2-Leads, Body 1.6x0.8mm, IPC Medium Density"
  rrect30% 0.8x0.8 smd: 1(-0.8,0) 2(0.8,0)
  silkscreen extent -1.5,-0.3 0.25,0.3, body extent -0.8,-0.4 0.8,0.4, height 0.7
SOIC127P600X175-8N [mm] "SOIC, 8-Leads, Body 4,90x3,90mm, Pitch 1,27mm, IPC Medium Density"
  rrect15% 1.45x0.6 smd: 1(-2.725,1.905)
  rrect50% 1.45x0.6 smd: 2(-2.725,0.635) 3(-2.725,-0.635) 4(-2.725,-1.905) 5(2.725,-1.905) 6(2.725,-0.635) 7(2.725,0.635) 8(2.725,1.905)
  silkscreen extent -2.85,-2.5 1.6,2.88, body extent -3,-2.54 3,2.54, height 1.7
SOT23_95P280X145-5N [mm] "SOT23, 5-Leads, Body 3,1x3,2mm (max), Pitch 0,95mm, IPC Medium Densit"
  rect 1.05x0.6 smd paste-0.05 mask+0.07: 1(-1.35,0.95)
  rrect50% 1.05x0.6 smd paste-0.05 mask+0.07: 2(-1.35,0) 3(-1.35,-0.95) 4(1.35,-0.95) 5(1.35,0.95)
  silkscreen extent -1.12,-1.5 0.5,1.82, body extent -1.6,-1.55 1.6,1.55, height 1.45
SOT223 [mm] "SOT223, 4-Leads, Body 6,7x7,3mm (max), Pitch 2,30mm, IPC Medium Density"
  rect 2x1.5 smd: 1(-3.15,2.3)
  rrect30% 2x1.5 smd: 2(-3.15,0) 3(-3.15,-2.3)
  rrect30% 2x3.8 smd: 4(3.15,0)
  silkscreen extent -2.92,-3.6 2.1,3.92, body extent -3.65,-3.35 3.65,3.35, height 1.82
SOT-23 [mm]
  rrect15% 0.8x0.9 smd: 1(-0.952,-1.016)
  rrect50% 0.8x0.9 smd: 2(0.953,-1.016) 3(0.013,1.016)
  silkscreen extent -1.2,-0.8 1.2,0.8, body extent -1.5,-1.13 1.5,1.13, height 1.22
SOT-23-6L [mm]
  rrect15% 0.7x1.1 smd: 1(-0.95,-1.25)
  rrect50% 0.7x1.1 smd: 2(0,-1.25) 3(0.95,-1.25) 4(0.95,1.25) 5(0,1.25) 6(-0.95,1.25)
  silkscreen extent -1.9,-1 1.45,0.45, body extent -1.45,-1.4 1.45,1.4, height 1.16
SSOP28 [mm]
  rrect15% 1.5x0.4 smd: 1(-3.525,4.225)
  rrect70% 1.5x0.4 smd: 2(-3.525,3.575) 3(-3.525,2.925) 4(-3.525,2.275) 5(-3.525,1.625) 6(-3.525,0.975) 7(-3.525,0.325) 8(-3.525,-0.325) 9(-3.525,-0.975) 10(-3.525,-1.625) 11(-3.525,-2.275) 12(-3.525,-2.925) 13(-3.525,-3.575) 14(-3.525,-4.225) 15(3.525,-4.225) 16(3.525,-3.575) 17(3.525,-2.925) 18(3.525,-2.275) 19(3.525,-1.625) 20(3.525,-0.975) 21(3.525,-0.325) 22(3.525,0.325) 23(3.525,0.975) 24(3.525,1.625) 25(3.525,2.275) 26(3.525,2.925) 27(3.525,3.575) 28(3.525,4.225)
  silkscreen extent -3.61,-4.8 2.2,5.13, body extent -3.88,-5.17 3.88,5.17, height 2.11
TSW-104-08-F-T-RA [mm]
  rrect50% 1.5x1.5 hole 1: 1(-3.81,-2.54)
  round 1.5 hole 1: 2(-3.81,0) 3(-3.81,2.54) 4(-1.27,-2.54) 5(-1.27,0) 6(-1.27,2.54) 7(1.27,-2.54) 8(1.27,0) 9(1.27,2.54) 10(3.81,-2.54) 11(3.81,0) 12(3.81,2.54)
  silkscreen extent -5,-12.47 5.04,3.6, body extent -5.08,-12.43 5.08,2.87, height 0.6
TSW-106-08-F-T-RA [mm]
  rrect50% 1.5x1.5 hole 1: 1(-6.35,-2.54)
  round 1.5 hole 1: 2(-6.35,0) 3(-6.35,2.54) 4(-3.81,-2.54) 5(-3.81,0) 6(-3.81,2.54) 7(-1.27,-2.54) 8(-1.27,0) 9(-1.27,2.54) 10(1.27,-2.54) 11(1.27,0) 12(1.27,2.54) 13(3.81,-2.54) 14(3.81,0) 15(3.81,2.54) 16(6.35,-2.54) 17(6.35,0) 18(6.35,2.54)
  silkscreen extent -7.56,-12.47 7.56,3.6, body extent -7.62,-12.43 7.62,2.87, height 0.6